# Altium PCB Discharge_circuit.PcbDoc (part 2 of 2)
Units mil, origin at the board's own origin, x right, y up, seen from the top; angles counter-clockwise.
Board outline 3355 x 5880 mil, 2 copper layers (Top, Bottom), stack 61.811 mil thick; 102 components, 64 nets, 268 pads, 2630 vias.
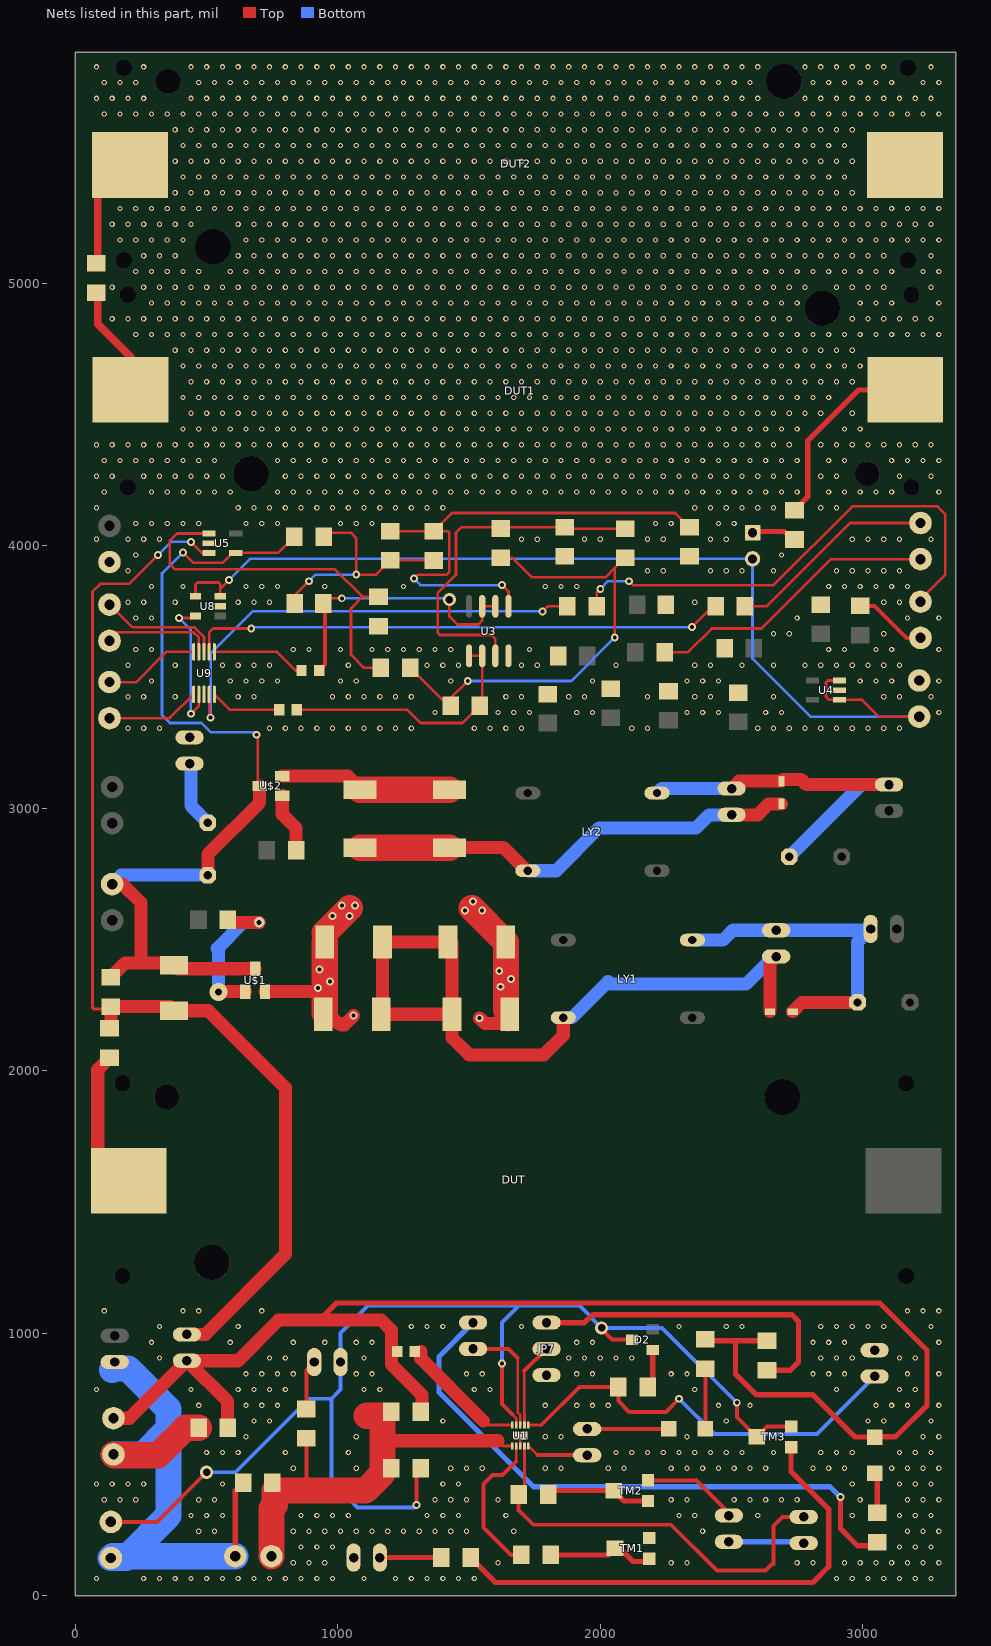
[diagram p2: the nets of this part, all layers, seen from the top]

## Via types
v1: diameter 20, hole 12, Top to Bottom, 2581 vias
v2: diameter 30, hole 15, Top to Bottom, 42 vias
v3: diameter 50, hole 28, Top to Bottom, 3 vias
v4: diameter 40, hole 20, Top to Bottom, 2 vias
v5: diameter 70, hole 28, Top to Bottom, 1 vias
v6: diameter 80, hole 30, Top to Bottom, 1 vias

## Nets (pads, with @x,y where several pads share a name; then routed paths per layer and width w, separated by ;. In a path a pad name is that pad's centre, name@x,y a point inside that pad or via, vN(x,y) a via of type N, cw(c..) or ccw(c..) an arc to the next point about the centre after c; other vN are vias at no path point) (continued)
GND: C3.2 C4.2 C7.2 C8.2 C9.2 C10.2 C13.2 C14.2 C15.2 C16.2 DUT2.P$1 JP8.1 RL.1 T7.2 T8.2 U3.4 U4.2 U5.2 U8.2 U9.3
  other v1: 200,3305 260,3305 320,3305 740,3305 800,3305 860,3305 920,3305 980,3305 1040,3305 1100,3305 1160,3305 1220,3305 1280,3305 1520,3305 1580,3305 1640,3305 1700,3305 2120,3305 2180,3305 2600,3305 2660,3305 2720,3305 2780,3305 2840,3305 2900,3305 2960,3305 3020,3305 3080,3305 3140,3305 1370,3365 1610,3365 1670,3365 1730,3365 1910,3365 1970,3365 2330,3365 2390,3365 2450,3365 2630,3365 2690,3365 3290,3365 200,3425 260,3425 380,3425 620,3425 680,3425 980,3425 1040,3425 1100,3425 1160,3425 1220,3425 1280,3425 1640,3425 1700,3425 1880,3425 1940,3425 2180,3425 2360,3425 2420,3425 2660,3425 3080,3425 3140,3425 3260,3425 290,3485 590,3485 650,3485 710,3485 770,3485 1010,3485 1070,3485 1430,3485 1970,3485 2330,3485 2390,3485 2450,3485 2990,3485 3050,3485 3110,3485 3290,3485 200,3545 380,3545 560,3545 620,3545 680,3545 740,3545 1040,3545 1340,3545 1400,3545 1460,3545 1700,3545 1760,3545 2060,3545 2360,3545 2420,3545 2540,3545 2660,3545 2780,3545 2840,3545 2900,3545 2960,3545 3020,3545 3080,3545 3140,3545 230,3605 290,3605 830,3605 890,3605 1010,3605 1130,3605 1190,3605 1250,3605 1310,3605 1370,3605 1430,3605 1730,3605 2870,3605 2930,3605 3050,3605 3110,3605 3290,3605 2660,3665 2720,3665 3080,3665 230,3725 290,3725 2750,3725 3170,3725 3290,3725 200,3785 260,3785 380,3785 620,3785 680,3785 740,3785 2360,3785 3080,3785 3140,3785 290,3845 410,3845 650,3845 710,3845 770,3845 950,3845 1250,3845 1790,3845 1850,3845 1910,3845 2870,3845 2930,3845 2990,3845 3050,3845 3110,3845 3170,3845 200,3905 2180,3905 2240,3905 2420,3905 2480,3905 2540,3905 2660,3905 2900,3905 2960,3905 3020,3905 3080,3905 3140,3905 230,3965 2690,3965 80,4025 200,4025 260,4025 320,4025 1700,4025 1760,4025 1940,4025 2000,4025 2180,4025 2240,4025 2420,4025 2480,4025 2960,4025 3020,4025 3080,4025 3140,4025 3260,4025 230,4085 290,4085 350,4085 410,4085 470,4085 650,4085 710,4085 770,4085 1010,4085 1070,4085 1130,4085 2210,4085 2270,4085 2450,4085 2510,4085 80,4145 620,4145 680,4145 740,4145 800,4145 860,4145 920,4145 980,4145 1040,4145 1100,4145 1160,4145 1220,4145 1280,4145 1340,4145 1400,4145 2360,4145 2420,4145 2480,4145 2540,4145 2600,4145 2660,4145 2840,4145 2900,4145 110,4205 290,4205 350,4205 410,4205 470,4205 530,4205 590,4205 770,4205 830,4205 890,4205 950,4205 1010,4205 1070,4205 1130,4205 1190,4205 1250,4205 1310,4205 1370,4205 1430,4205 1490,4205 1550,4205 1610,4205 1670,4205 1730,4205 1790,4205 1850,4205 1910,4205 1970,4205 2030,4205 2090,4205 2150,4205 2210,4205 2270,4205 2330,4205 2390,4205 2450,4205 2510,4205 2570,4205 2630,4205 2690,4205 2750,4205 2870,4205 2930,4205 2990,4205 3050,4205 3110,4205 3290,4205 80,4265 140,4265 260,4265 320,4265 380,4265 440,4265 500,4265 560,4265 800,4265 860,4265 920,4265 980,4265 1040,4265 1100,4265 1160,4265 1220,4265 1280,4265 1340,4265 1400,4265 1460,4265 1520,4265 1580,4265 1640,4265 1700,4265 1760,4265 1820,4265 1880,4265 1940,4265 2000,4265 2060,4265 2120,4265 2180,4265 2240,4265 2300,4265 2360,4265 2420,4265 2480,4265 2540,4265 2600,4265 2660,4265 2720,4265 2840,4265 2900,4265 3140,4265 3260,4265 110,4325 170,4325 230,4325 290,4325 350,4325 410,4325 470,4325 530,4325 770,4325 830,4325 890,4325 950,4325 1010,4325 1070,4325 1130,4325 1190,4325 1250,4325 1310,4325 1370,4325 1430,4325 1490,4325 1550,4325 1610,4325 1670,4325 1730,4325 1790,4325 1850,4325 1910,4325 1970,4325 2030,4325 2090,4325 2150,4325 2210,4325 2270,4325 2330,4325 2390,4325 2450,4325 2510,4325 2570,4325 2630,4325 2690,4325 2750,4325 2870,4325 2930,4325 3110,4325 3170,4325 3230,4325 3290,4325 80,4385 140,4385 200,4385 260,4385 320,4385 380,4385 440,4385 500,4385 560,4385 620,4385 680,4385 740,4385 800,4385 860,4385 920,4385 980,4385 1040,4385 1100,4385 1160,4385 1220,4385 1280,4385 1340,4385 1400,4385 1460,4385 1520,4385 1580,4385 1640,4385 1700,4385 1760,4385 1820,4385 1880,4385 1940,4385 2000,4385 2060,4385 2120,4385 2180,4385 2240,4385 2300,4385 2360,4385 2420,4385 2480,4385 2540,4385 2600,4385 2660,4385 2720,4385 2840,4385 2900,4385 2960,4385 3020,4385 3080,4385 3140,4385 3200,4385 3260,4385 410,4445 470,4445 530,4445 590,4445 650,4445 710,4445 770,4445 830,4445 890,4445 950,4445 1010,4445 1070,4445 1130,4445 1190,4445 1250,4445 1310,4445 1370,4445 1430,4445 1490,4445 1550,4445 1610,4445 1670,4445 1730,4445 1790,4445 1850,4445 1910,4445 1970,4445 2030,4445 2090,4445 2150,4445 2210,4445 2270,4445 2330,4445 2390,4445 2450,4445 2510,4445 2570,4445 2630,4445 2690,4445 2750,4445 2930,4445 2990,4445 440,4505 500,4505 560,4505 620,4505 680,4505 740,4505 800,4505 860,4505 920,4505 980,4505 1040,4505 1100,4505 1160,4505 1220,4505 1280,4505 1340,4505 1400,4505 1460,4505 1520,4505 1580,4505 1640,4505 1700,4505 1760,4505 1820,4505 1880,4505 1940,4505 2000,4505 2060,4505 2120,4505 2180,4505 2240,4505 2300,4505 2360,4505 2420,4505 2480,4505 2540,4505 2600,4505 2660,4505 2720,4505 2780,4505 2840,4505 2960,4505 410,4565 470,4565 530,4565 590,4565 650,4565 710,4565 770,4565 830,4565 890,4565 950,4565 1010,4565 1070,4565 1130,4565 1190,4565 1250,4565 1310,4565 1370,4565 1430,4565 1490,4565 1550,4565 1610,4565 1670,4565 1730,4565 1790,4565 1850,4565 1910,4565 1970,4565 2030,4565 2090,4565 2150,4565 2210,4565 2270,4565 2330,4565 2390,4565 2450,4565 2510,4565 2570,4565 2630,4565 2690,4565 2750,4565 2810,4565 2870,4565 440,4625 500,4625 560,4625 620,4625 680,4625 740,4625 800,4625 860,4625 920,4625 980,4625 1040,4625 1100,4625 1160,4625 1220,4625 1280,4625 1340,4625 1400,4625 1460,4625 1520,4625 1580,4625 1640,4625 1700,4625 1760,4625 1820,4625 1880,4625 1940,4625 2000,4625 2060,4625 2120,4625 2180,4625 2240,4625 2300,4625 2360,4625 2420,4625 2480,4625 2540,4625 2600,4625 2660,4625 2720,4625 2780,4625 2840,4625 2900,4625 2960,4625 410,4685 470,4685 530,4685 590,4685 650,4685 710,4685 770,4685 830,4685 890,4685 950,4685 1010,4685 1070,4685 1130,4685 1190,4685 1250,4685 1310,4685 1370,4685 1430,4685 1490,4685 1550,4685 1610,4685 1670,4685 1730,4685 1790,4685 1850,4685 1910,4685 1970,4685 2030,4685 2090,4685 2150,4685 2210,4685 2270,4685 2330,4685 2390,4685 2450,4685 2510,4685 2570,4685 2630,4685 2690,4685 2750,4685 2810,4685 2870,4685 2930,4685 2990,4685 380,4745 440,4745 500,4745 560,4745 620,4745 680,4745 740,4745 800,4745 860,4745 920,4745 980,4745 1040,4745 1100,4745 1160,4745 1220,4745 1280,4745 1340,4745 1400,4745 1460,4745 1520,4745 1580,4745 1640,4745 1700,4745 1760,4745 1820,4745 1880,4745 1940,4745 2000,4745 2060,4745 2120,4745 2180,4745 2240,4745 2300,4745 2360,4745 2420,4745 2480,4745 2540,4745 2600,4745 2660,4745 2720,4745 2780,4745 2840,4745 2900,4745 2960,4745 230,4805 290,4805 350,4805 410,4805 470,4805 530,4805 590,4805 650,4805 710,4805 770,4805 830,4805 890,4805 950,4805 1010,4805 1070,4805 1130,4805 1190,4805 1250,4805 1310,4805 1370,4805 1430,4805 1490,4805 1550,4805 1610,4805 1670,4805 1730,4805 1790,4805 1850,4805 1910,4805 1970,4805 2030,4805 2090,4805 2150,4805 2210,4805 2270,4805 2330,4805 2390,4805 2450,4805 2510,4805 2570,4805 2630,4805 2690,4805 2750,4805 2810,4805 2870,4805 2930,4805 2990,4805 3050,4805 3110,4805 3170,4805 3230,4805 3290,4805 140,4865 200,4865 260,4865 320,4865 380,4865 440,4865 500,4865 560,4865 620,4865 680,4865 740,4865 800,4865 860,4865 920,4865 980,4865 1040,4865 1100,4865 1160,4865 1220,4865 1280,4865 1340,4865 1400,4865 1460,4865 1520,4865 1580,4865 1640,4865 1700,4865 1760,4865 1820,4865 1880,4865 1940,4865 2000,4865 2060,4865 2120,4865 2180,4865 2240,4865 2300,4865 2360,4865 2420,4865 2480,4865 2540,4865 2600,4865 2660,4865 2720,4865 2960,4865 3020,4865 3080,4865 3140,4865 3200,4865 3260,4865 290,4925 350,4925 410,4925 470,4925 530,4925 590,4925 650,4925 710,4925 770,4925 830,4925 890,4925 950,4925 1010,4925 1070,4925 1130,4925 1190,4925 1250,4925 1310,4925 1370,4925 1430,4925 1490,4925 1550,4925 1610,4925 1670,4925 1730,4925 1790,4925 1850,4925 1910,4925 1970,4925 2030,4925 2090,4925 2150,4925 2210,4925 2270,4925 2330,4925 2390,4925 2450,4925 2510,4925 2570,4925 2630,4925 2690,4925 2750,4925 2990,4925 3050,4925 3110,4925 3290,4925 140,4985 260,4985 320,4985 380,4985 440,4985 500,4985 560,4985 620,4985 680,4985 740,4985 800,4985 860,4985 920,4985 980,4985 1040,4985 1100,4985 1160,4985 1220,4985 1280,4985 1340,4985 1400,4985 1460,4985 1520,4985 1580,4985 1640,4985 1700,4985 1760,4985 1820,4985 1880,4985 1940,4985 2000,4985 2060,4985 2120,4985 2180,4985 2240,4985 2300,4985 2360,4985 2420,4985 2480,4985 2540,4985 2600,4985 2660,4985 2720,4985 2780,4985 2900,4985 2960,4985 3020,4985 3080,4985 3260,4985 230,5045 290,5045 350,5045 410,5045 470,5045 590,5045 650,5045 710,5045 770,5045 830,5045 890,5045 950,5045 1010,5045 1070,5045 1130,5045 1190,5045 1250,5045 1310,5045 1370,5045 1430,5045 1490,5045 1550,5045 1610,5045 1670,5045 1730,5045 1790,5045 1850,5045 1910,5045 1970,5045 2030,5045 2090,5045 2150,5045 2210,5045 2270,5045 2330,5045 2390,5045 2450,5045 2510,5045 2570,5045 2630,5045 2690,5045 2750,5045 2810,5045 2870,5045 2930,5045 2990,5045 3050,5045 3110,5045 3230,5045 3290,5045 260,5105 320,5105 380,5105 620,5105 680,5105 740,5105 800,5105 860,5105 920,5105 980,5105 1040,5105 1100,5105 1160,5105 1220,5105 1280,5105 1340,5105 1400,5105 1460,5105 1520,5105 1580,5105 1640,5105 1700,5105 1760,5105 1820,5105 1880,5105 1940,5105 2000,5105 2060,5105 2120,5105 2180,5105 2240,5105 2300,5105 2360,5105 2420,5105 2480,5105 2540,5105 2600,5105 2660,5105 2720,5105 2780,5105 2840,5105 2900,5105 2960,5105 3020,5105 3080,5105 3260,5105 170,5165 230,5165 290,5165 350,5165 410,5165 650,5165 710,5165 770,5165 830,5165 890,5165 950,5165 1010,5165 1070,5165 1130,5165 1190,5165 1250,5165 1310,5165 1370,5165 1430,5165 1490,5165 1550,5165 1610,5165 1670,5165 1730,5165 1790,5165 1850,5165 1910,5165 1970,5165 2030,5165 2090,5165 2150,5165 2210,5165 2270,5165 2330,5165 2390,5165 2450,5165 2510,5165 2570,5165 2630,5165 2690,5165 2750,5165 2810,5165 2870,5165 2930,5165 2990,5165 3050,5165 3110,5165 3170,5165 3230,5165 3290,5165 140,5225 200,5225 260,5225 320,5225 380,5225 440,5225 620,5225 680,5225 740,5225 800,5225 860,5225 920,5225 980,5225 1040,5225 1100,5225 1160,5225 1220,5225 1280,5225 1340,5225 1400,5225 1460,5225 1520,5225 1580,5225 1640,5225 1700,5225 1760,5225 1820,5225 1880,5225 1940,5225 2000,5225 2060,5225 2120,5225 2180,5225 2240,5225 2300,5225 2360,5225 2420,5225 2480,5225 2540,5225 2600,5225 2660,5225 2720,5225 2780,5225 2840,5225 2900,5225 2960,5225 3020,5225 3080,5225 3140,5225 3200,5225 3260,5225 170,5285 230,5285 290,5285 350,5285 410,5285 470,5285 530,5285 590,5285 650,5285 710,5285 770,5285 830,5285 890,5285 950,5285 1010,5285 1070,5285 1130,5285 1190,5285 1250,5285 1310,5285 1370,5285 1430,5285 1490,5285 1550,5285 1610,5285 1670,5285 1730,5285 1790,5285 1850,5285 1910,5285 1970,5285 2030,5285 2090,5285 2150,5285 2210,5285 2270,5285 2330,5285 2390,5285 2450,5285 2510,5285 2570,5285 2630,5285 2690,5285 2750,5285 2810,5285 2870,5285 2930,5285 2990,5285 3050,5285 3110,5285 3170,5285 3230,5285 3290,5285 380,5345 440,5345 500,5345 560,5345 620,5345 680,5345 740,5345 800,5345 860,5345 920,5345 980,5345 1040,5345 1100,5345 1160,5345 1220,5345 1280,5345 1340,5345 1400,5345 1460,5345 1520,5345 1580,5345 1640,5345 1700,5345 1760,5345 1820,5345 1880,5345 1940,5345 2000,5345 2060,5345 2120,5345 2180,5345 2240,5345 2300,5345 2360,5345 2420,5345 2480,5345 2540,5345 2600,5345 2660,5345 2720,5345 2780,5345 2840,5345 2900,5345 2960,5345 410,5405 470,5405 530,5405 590,5405 650,5405 710,5405 770,5405 830,5405 890,5405 950,5405 1010,5405 1070,5405 1130,5405 1190,5405 1250,5405 1310,5405 1370,5405 1430,5405 1490,5405 1550,5405 1610,5405 1670,5405 1730,5405 1790,5405 1850,5405 1910,5405 1970,5405 2030,5405 2090,5405 2150,5405 2210,5405 2270,5405 2330,5405 2390,5405 2450,5405 2510,5405 2570,5405 2630,5405 2690,5405 2750,5405 2810,5405 2870,5405 2930,5405 380,5465 440,5465 500,5465 560,5465 620,5465 680,5465 740,5465 800,5465 860,5465 920,5465 980,5465 1040,5465 1100,5465 1160,5465 1220,5465 1280,5465 1340,5465 1400,5465 1460,5465 1520,5465 1580,5465 1640,5465 1700,5465 1760,5465 1820,5465 1880,5465 1940,5465 2000,5465 2060,5465 2120,5465 2180,5465 2240,5465 2300,5465 2360,5465 2420,5465 2480,5465 2540,5465 2600,5465 2660,5465 2720,5465 2780,5465 2840,5465 2900,5465 2960,5465 410,5525 470,5525 530,5525 590,5525 650,5525 710,5525 770,5525 830,5525 890,5525 950,5525 1010,5525 1070,5525 1130,5525 1190,5525 1250,5525 1310,5525 1370,5525 1430,5525 1490,5525 1550,5525 1610,5525 1670,5525 1730,5525 1790,5525 1850,5525 1910,5525 1970,5525 2030,5525 2090,5525 2150,5525 2210,5525 2270,5525 2330,5525 2390,5525 2450,5525 2510,5525 2570,5525 2630,5525 2690,5525 2750,5525 2810,5525 2870,5525 2930,5525 380,5585 440,5585 500,5585 560,5585 620,5585 680,5585 740,5585 800,5585 860,5585 920,5585 980,5585 1040,5585 1100,5585 1160,5585 1220,5585 1280,5585 1340,5585 1400,5585 1460,5585 1520,5585 1580,5585 1640,5585 1700,5585 1760,5585 1820,5585 1880,5585 1940,5585 2000,5585 2060,5585 2120,5585 2180,5585 2240,5585 2300,5585 2360,5585 2420,5585 2480,5585 2540,5585 2600,5585 2660,5585 2720,5585 2780,5585 2840,5585 2900,5585 2960,5585 110,5645 170,5645 230,5645 290,5645 350,5645 410,5645 470,5645 530,5645 590,5645 650,5645 710,5645 770,5645 830,5645 890,5645 950,5645 1010,5645 1070,5645 1130,5645 1190,5645 1250,5645 1310,5645 1370,5645 1430,5645 1490,5645 1550,5645 1610,5645 1670,5645 1730,5645 1790,5645 1850,5645 1910,5645 1970,5645 2030,5645 2090,5645 2150,5645 2210,5645 2270,5645 2330,5645 2390,5645 2450,5645 2510,5645 2570,5645 2630,5645 2690,5645 2750,5645 2810,5645 2870,5645 2930,5645 2990,5645 3050,5645 3110,5645 3170,5645 3230,5645 3290,5645 80,5705 140,5705 200,5705 260,5705 440,5705 500,5705 560,5705 620,5705 680,5705 740,5705 800,5705 860,5705 920,5705 980,5705 1040,5705 1100,5705 1160,5705 1220,5705 1280,5705 1340,5705 1400,5705 1460,5705 1520,5705 1580,5705 1640,5705 1700,5705 1760,5705 1820,5705 1880,5705 1940,5705 2000,5705 2060,5705 2120,5705 2180,5705 2240,5705 2300,5705 2360,5705 2420,5705 2480,5705 2540,5705 2600,5705 2780,5705 2840,5705 2900,5705 2960,5705 3020,5705 3080,5705 3140,5705 3200,5705 3260,5705 110,5765 170,5765 230,5765 470,5765 530,5765 590,5765 650,5765 710,5765 770,5765 830,5765 890,5765 950,5765 1010,5765 1070,5765 1130,5765 1190,5765 1250,5765 1310,5765 1370,5765 1430,5765 1490,5765 1550,5765 1610,5765 1670,5765 1730,5765 1790,5765 1850,5765 1910,5765 1970,5765 2030,5765 2090,5765 2150,5765 2210,5765 2270,5765 2330,5765 2390,5765 2450,5765 2510,5765 2570,5765 2810,5765 2870,5765 2930,5765 2990,5765 3050,5765 3110,5765 3230,5765 3290,5765 80,5825 260,5825 440,5825 500,5825 560,5825 620,5825 680,5825 740,5825 800,5825 860,5825 920,5825 980,5825 1040,5825 1100,5825 1160,5825 1220,5825 1280,5825 1340,5825 1400,5825 1460,5825 1520,5825 1580,5825 1640,5825 1700,5825 1760,5825 1820,5825 1880,5825 1940,5825 2000,5825 2060,5825 2120,5825 2180,5825 2240,5825 2300,5825 2360,5825 2420,5825 2480,5825 2540,5825 2600,5825 2780,5825 2840,5825 2900,5825 2960,5825 3020,5825 3080,5825 3260,5825
GND(DC-): C1.2 C2.2 D2.A JCHG1.1 JCHG2.1 JCHG3.2 JCHG8.1 JP7.1 R13.2 T1.1 T2.2 T3.2 TM1.3 TS.1 U1.3 U1.11 | length 2838.2
  Top w10: U1.3@1695,570 U1.11@1695,610
  Top w20: T1.1@609.13,150 609.13,399.25 C1.2@639.88,430 ; R13.2@2180.98,795 2199.37,813.39 D2.A@2199.37,935.63
  Top w100: T2.2@145,538.07 148.07,535 315,535 420,640 C2.2@469.88,640
  Bottom w20: JCHG3.2@2490,205 2770,205 JCHG1.1@2775,200
  Bottom w100: 140,860 145,865 200,865 355,710 355,635 ; T2.2@145,538.07 258.07,538.07 355,635 ; T1.1@609.13,150 200,150 ; 200,150 355,305 355,635 ; 200,150 193.07,143.07 T3.2@135,143.07 141.93,150 200,150
  other v1: 80,65 260,65 320,65 380,65 440,65 500,65 560,65 620,65 680,65 740,65 800,65 860,65 920,65 980,65 1100,65 1220,65 1280,65 1340,65 1400,65 1460,65 1520,65 2900,65 2960,65 3020,65 3080,65 3140,65 3200,65 3260,65 830,125 890,125 950,125 1610,125 2270,125 2330,125 2750,125 2810,125 2930,125 2990,125 3050,125 3110,125 3170,125 3230,125 3290,125 860,185 920,185 980,185 3140,185 3200,185 3260,185 470,245 530,245 830,245 890,245 950,245 1010,245 1070,245 1130,245 1190,245 1250,245 1310,245 1370,245 1430,245 1490,245 1670,245 2390,245 3170,245 3230,245 3290,245 440,305 500,305 560,305 860,305 920,305 980,305 1040,305 1340,305 1400,305 1460,305 1640,305 2300,305 2360,305 2600,305 2960,305 3140,305 3200,305 3260,305 110,365 170,365 230,365 470,365 530,365 1370,365 1430,365 1490,365 1610,365 2270,365 2330,365 2510,365 2570,365 2630,365 2690,365 2750,365 2990,365 3170,365 3230,365 3290,365 80,425 140,425 200,425 260,425 560,425 1400,425 1460,425 2960,425 3140,425 3200,425 3260,425 830,485 1070,485 1430,485 1490,485 1550,485 1790,485 1850,485 2030,485 2090,485 2270,485 2330,485 2390,485 2450,485 2510,485 2570,485 2630,485 2810,485 2870,485 2930,485 3110,485 3170,485 3230,485 3290,485 500,545 560,545 620,545 800,545 1040,545 2060,545 2120,545 2180,545 2240,545 2300,545 2360,545 2420,545 2480,545 2540,545 2660,545 2840,545 2900,545 2960,545 3140,545 3200,545 3260,545 650,605 1070,605 1790,605 1850,605 2330,605 3230,605 3290,605 680,665 740,665 1400,665 2480,665 3020,665 3080,665 3260,665 470,725 650,725 710,725 770,725 1790,725 1910,725 1970,725 2030,725 2450,725 2570,725 3050,725 3110,725 3170,725 3290,725 80,785 440,785 620,785 680,785 740,785 800,785 1100,785 1160,785 1520,785 1580,785 2360,785 2900,785 3140,785 3200,785 650,845 710,845 770,845 830,845 1070,845 1130,845 1490,845 1550,845 1910,845 1970,845 2270,845 2330,845 2810,845 2870,845 2930,845 3170,845 3290,845 320,905 740,905 800,905 1100,905 1880,905 1940,905 2000,905 2060,905 2120,905 2840,905 2900,905 2960,905 3140,905 3200,905 290,965 590,965 830,965 950,965 1070,965 1130,965 1910,965 1970,965 2810,965 2870,965 2930,965 3290,965 320,1025 620,1025 1280,1025 1340,1025 1400,1025 1700,1025 2300,1025 2480,1025 2540,1025 2840,1025 2900,1025 2960,1025 3020,1025 3080,1025 3260,1025 110,1085 410,1085 470,1085 710,1085 3170,1085 3230,1085 3290,1085
I_MEASURE: R16.2 RL.2 U5.1 | length 1470.5
  Top w10: U5.1@509,4047 387,4047 360,4020 360,3930 380,3910 990,3910 1094.02,3805.98 ; RL.2@1155,3805.98 1094.02,3805.98 ; R16.2@1164.02,3535 1100,3535 1050,3585 1050,3761.96 1094.02,3805.98
IN(DC+): C1.1 R9.2 R11.2 R12.2 T1.2 U1.1 | length 1675.7
  Top w10: 1610,590 1630,570 U1.1@1664,570
  Top w15: 880,400 R12.2@880,599.02
  Top w50: 1170,585 1175,590 1610,590
  Top w100: T1.2@746.93,150 746.93,331.93 760,345 760,400 880,400 1105,400 1170,465 1170,585 1170,685 1110,685
NetC5_1: C5.1 C11.1 R16.1 R17.2 | length 1765.8
  Top w10: R16.1@1275.98,3535 1420.98,3390 C11.1@1429.88,3390 1429.88,3419.88 v2(1495,3485) ; R17.2@1620,3954.02 1665.98,3954.02 1740,3880 2020.12,3880 2055,3914.88 ; v2(2055,3650) 2055,3914.88 ; C5.1@2095,3954.88 2055,3914.88
  Bottom w10: v2(1495,3485) 1890,3485 v2(2055,3650)
NetC5_2: C5.2 C8.1 R17.1 U3.3 | length 1362.6
  Top w10: U3.3@1600,3580.51 1600,3645 1585,3660 1390,3660 1380,3670 1380,3820 1450,3890 1450,4050 1470,4070 1615.98,4070 R17.1@1620,4065.98 1624.14,4070.12 C8.1@1865,4070.12 1870,4065.12 C5.2@2095,4065.12
NetC6_1: C6.1 C12.1 R18.1 R19.2 | length 889.6
  Top w10: C12.1@834.88,3780 834.88,3809.88 v2(890,3865) ; R18.1@945,4050 1050,4050 1070,4030 v2(1070,3890) 1145.12,3890 C6.1@1200,3944.88 1364.14,3944.88 R19.2@1365,3944.02
  Bottom w10: v2(890,3865) 915,3890 v2(1070,3890)
NetC6_2: C6.2 C7.1 R19.1 U3.5 | length 1985.9
  Top w10: C6.2@1200,4055.12 R19.1@1365,4055.12 ; v2(1290,3875) 1305,3890 1415,3890 1425,3900 1425,4050 1419.88,4055.12 R19.1@1365,4055.12 ; v2(1625,3850) 1650,3825 U3.5@1650,3769.49 ; C7.1@2340,4070.12 2285.12,4125 1434.02,4125 R19.1@1365,4055.98 R19.1@1365,4055.12
  Bottom w10: v2(1290,3875) 1315,3850 v2(1625,3850)
NetC11_2: C11.2 R20.2 U3.1 U3.2 | length 988.9
  Top w10: R20.2@843.46,3375 1265,3375 1315,3325 1475.12,3325 C11.2@1540.12,3390 1550,3399.88 U3.2@1550,3580.51 U3.1@1500,3580.51
NetC12_2: C12.2 R21.2 U3.6 U3.7 | length 1077.2
  Top w10: C12.2@945.12,3780 965.12,3800 v2(1015,3800) ; v3@1420,3800 v3(1425,3795) 1425,3730 1455,3700 1535,3700 1550,3715 U3.7@1550,3769.49 U3.6@1600,3769.49
  Top w15: R21.2@928.46,3525 950.98,3547.52 950.98,3774.14 C12.2@945.12,3780
  Bottom w10: v2(1015,3800) 1420,3800 v3(1425,3795)
NetCX_2: CX.2 JP8.2 | length 251.9
  Bottom w50: JP8.2@440,3170 440,3010 CX.2@505,2945
NetCY1_1: CY1.1 D4.2 JP5.1 JP6.2 LY2.2 | length 1407.7
  Top w50: JP5.1@2500,3075 2528.31,3103.31 D4.2@2690,3103.31 2696.69,3110 2765,3110 2785,3090 JP6.2@3100,3090
  Bottom w50: LY2.2@2216,3058 2233,3075 JP5.1@2500,3075 ; CY1.1@2720,2815 2995,3090 JP6.2@3100,3090
NetCY_1: CY.1 D5.2 JP1.1 JP3.2 LY1.2 | length 1244.2
  Top w50: D5.2@2733.31,2225 2768.31,2260 CY.1@2980,2260
  Bottom w50: LY1.2@2351,2498 2468,2498 2505,2535 JP1.1@2670,2535 3025,2535 2980,2490 CY.1@2980,2260
NetD2_C: D2.C JCHG9.2 R11.1 T3.1 TM3.2 TM3.3 U1.9 | length 4800
  Top w10: 1665,690 1679,676 U1.9@1679,650
  Top w15: T3.1@135,280.87 310.87,280.87 v3(500,470) v3@505,470 ; v2(1300,345) 1300,469.02 R11.1@1315.98,485 ; v2(1625,885) 1625,730 1665,690 ; v3(2005,1020) 2000,1020 2045,975 D2.C@2120.63,975 ; v2(2520,735) 2520,680.94 TM3.2@2595.94,605 2635.31,644.37 TM3.3@2726.85,644.37
  Bottom w15: v3(500,470) 610,470 890,750 975,750 ; v2(1300,345) 1290,335 1075,335 975,435 975,750 ; v2(1625,885) 1625,1040 1690,1105 ; v2(2520,735) 2235,1020 v3(2005,1020) 1920,1105 1690,1105 ; 975,750 1010,785 JCHG9.2@1010,890 1010,1000 1115,1105 1690,1105
NetD4_-: D4.- JP5.2 LY2.4 R26.1 R27.1 | length 1737
  Top w50: R27.1@1425,2849.76 1631.76,2849.76 LY2.4@1715.76,2765.76 ; JP5.2@2500,2975 2600,2975 2641.69,3016.69 D4.-@2690,3016.69
  Top w100: R26.1@1085,2849.76 R27.1@1425,2849.76
  Bottom w50: LY2.4@1724,2762 1832,2762 1995,2925 2365,2925 2415,2975 JP5.2@2500,2975
NetD5_-: D5.- JP1.2 LY1.4 R2.1 R3.1 R24.1 R25.1 | length 2855.4
  Top w50: R24.1@1419.76,2490 R3.1@1170.24,2490 1170.24,2220 R2.1@1165.24,2215 R25.1@1434.76,2215 ; R24.1@1424.88,2495.12 1434.76,2485.24 R25.1@1434.76,2215 ; LY1.4@1859,2202 1859,2134 1785,2060 1500,2060 1434.76,2125.24 R25.1@1434.76,2215 ; D5.-@2646.69,2225 2646.69,2411.69 JP1.2@2670,2435
  Bottom w50: LY1.4@1859,2202 1892,2202 2030,2340 2040,2330 2555,2330 2660,2435 JP1.2@2670,2435
NetDUT1_+: DUT1.+ U$3.1 | length 737.1
  Top w20: U$3.1@2740,4135.98 2790,4185.98 2790,4400 2984,4594 DUT1.+@3162,4594
NetDUT1_P$1: DUT1.P$1 FUSE_2.2 | length 421.6
  Top w30: FUSE_2.2@85,4964.02 85,4845 209.5,4720.5 DUT1.P$1@209.5,4594
NetDUT2_+: DUT2.+ FUSE_2.1 | length 426
  Top w20: DUT2.+@85,5328 DUT2.+@208,5451
  Top w30: FUSE_2.1@85,5075.98 DUT2.+@85,5328
NetDUT_+: DUT.+ U$4.1 | length 541.2
  Top w10: U$4.1@130,2049.02 U$4.1@134.02,2045
  Top w50: U$4.1@130,2049.02 85,2004.02 85,1699 DUT.+@203,1581
NetJCHG1_2: JCHG1.2 R6.2 U1.4 | length 1604.6
  Top w10: R6.2@1689.02,385 1711,406.98 U1.4@1711,570
  Top w15: R6.2@1689.02,385 1689.02,325.98 1745,270 2270,270 2445,95 2630,95 2655,120 2660,120 2660,265 2695,300 JCHG1.2@2775,300
NetJCHG2_2: JCHG2.2 R13.1 U1.6 | length 1617.8
  Top w10: U1.6@1726,650 1775,650
  Top w15: 1775,650 1920,795 R13.1@2069.02,795 2069.02,740.98 2110,700 2250,700 v2(2300,750)
  Bottom w15: v2(2300,750) 2435,615 2825,615 JCHG2.2@3045,835
NetJCHG3_1: JCHG3.1 TM2.3 | length 370.2
  Top w15: TM2.3@2181.85,439.37 2364.37,439.37 2365,440 2490,315 JCHG3.1@2490,305
NetJCHG4_1: JCHG4.1 U1.5 | length 238.5
  Top w10: U1.5@1726,570 1761,535
  Top w15: 1761,535 JCHG4.1@1950,535
NetJCHG4_2: JCHG4.2 LED1.C | length 311.1
  Top w15: JCHG4.2@1950,635 LED1.C@2261.1,635
NetJCHG6_1: JCHG6.1 U1.8 | length 443.6
  Top w10: 1685,905 1685,697.37 1695,687.37 U1.8@1695,650
  Top w15: JCHG6.1@1515,940 1650,940 1685,905
NetJCHG6_2: JCHG6.2 R14.1 | length 2307.3
  Top w20: v2(2915,375) 2915,255 2980,190 3040.98,190 R14.1@3055,204.02
  Bottom w20: JCHG6.2@1515,1040 1385,910 1385,775 1745,415 2875,415 v2(2915,375)
NetJCHG9_1: JCHG9.1 R12.1 | length 191.4
  Top w15: R12.1@880,710.98 880,860 JCHG9.1@910,890
NetJP7_2: JP7.2 U1.7 | length 325.6
  Top w10: 1710,855 1710,695 1711,694 U1.7@1711,650
  Top w15: 1710,855 JP7.2@1795,940
NetJP7_3: JP7.3 R7.1 | length 1270.6
  Top w20: JP7.3@1795,1040 1940,1040 1970,1070 2730,1070 2755,1045 2755,890 2724.02,859.02 R7.1@2635,859.02
NetJP9_1: JP9.1 U$3.2 | length 178.2
  Top w10: JP9.1@2580,4050 JP9.1@2584.41,4054.41
  Top w20: JP9.1@2584.41,4054.41 2700.59,4054.41 U$3.2@2740,4015
NetJP9_2: JP9.2 T8.1 U4.1 U4.3 U8.3 U8.4 | length 3867.5
  Top w10: U8.4@457.76,3807.4 457.76,3852.76 465,3860 545,3860 552.24,3852.76 552.24,3837.24 ; U8.3@552.24,3807.4 552.24,3837.24 ; v2(585,3870) 552.24,3837.24 ; U4.3@2911,3487 2867,3487 2860,3480 2860,3425 2872,3413 U4.1@2911,3413 2997,3413 3060.87,3349.13 T8.1@3215,3349.13
  Bottom w10: v2(585,3870) 665,3950 JP9.2@2580,3950 2580,3570 2800.87,3349.13 T8.1@3215,3349.13
NetLED1_A: LED1.A R8.1 | length 229.5
  Top w15: LED1.A@2398.9,635 2400,636.1 R8.1@2400,864.02
NetLED2_C: LED2.C R14.2 | length 154.3
  Top w20: LED2.C@3045,466.1 3055,456.1 R14.2@3055,315.98
NetR2_2: R2.2 R3.2 R24.2 R25.2 U$1.2 | length 1456.2
  Top w50: U$1.2@722.4,2301.69 946.45,2301.69 949.76,2305 ; R2.2@949.76,2220 R2.2@944.76,2215 965,2215 1000,2180 1020,2180 1015,2175 1025,2175 v2(1060,2210) ; R3.2@949.76,2490 R3.2@949.76,2524.76 ; v2(1540,2200) 1560,2180 1640,2180 1645,2175 1655.24,2185.24 R25.2@1655.24,2215 R25.2@1640.24,2230
  Top w100: R2.2@949.76,2220 949.76,2305 R3.2@949.76,2490 ; R3.2@949.76,2524.76 1045,2620 ; 1510.24,2620 R24.2@1640.24,2490 R25.2@1640.24,2230
  other v2: 925,2315 1620,2320 970,2340 1660,2350 1615,2380 930,2385 980,2590 1045,2590 1485,2610 1550,2610 1015,2630 1065,2630 1515,2645
NetR4_1: R4.1 T9.2 | length 800.3
  Top w10: R4.1@2550.98,3770 2635,3770 2951.93,4086.93 T9.2@3220,4086.93
NetR4_2: R4.2 U9.7 | length 2051.9
  Top w10: U9.7@509.69,3595.71 509.69,3669.69 525,3685 v2(670,3685) v2@675,3690 ; v2(2350,3690) 2430,3770 R4.2@2439.02,3770
  Bottom w10: v2(670,3685) 675,3690 v2(2350,3690)
NetR5_1: R5.1 TM1.1 TM1.2 | length 411.3
  Top w20: R5.1@1810.98,155 2030.94,155 TM1.2@2055.94,180 2075,180 2125,130 2176.22,130 TM1.1@2186.85,140.63
NetR5_2: R5.2 U1.2 | length 571.1
  Top w10: 1679,511 U1.2@1679,570
  Top w15: 1679,511 1628,460 1590,460 1555,425 1555,260 1660,155 R5.2@1699.02,155
NetR6_1: R6.1 TM2.1 TM2.2 | length 403.9
  Top w20: R6.1@1800.98,385 1815.98,400 TM2.2@2050.94,400 2090.94,360 2181.22,360 TM2.1@2181.85,360.63
NetR10_2: R10.2 U1.10 | length 479.2
  Top w10: 1555,665 1570,650 U1.10@1664,650
  Top w50: 1315.98,930 1315.98,904.02 1555,665
NetR15_1: R15.1 TS.2 | length 234
  Top w20: TS.2@1160,145 R15.1@1394.02,145
NetR15_2: R15.2 TM3.1 | length 1943.1
  Top w20: R15.2@1505.98,145 1600.98,50 2810,50 2870,110 2870,330 2726.85,473.15 TM3.1@2726.85,565.63
NetR20_1: R20.1 U9.5 | length 275.2
  Top w10: U9.5@529.37,3434.29 588.66,3375 R20.1@780,3375
NetR21_1: R21.1 U9.6 | length 361.5
  Top w10: U9.6@529.37,3595.71 768.31,3595.71 839.02,3525 R21.1@861.54,3525
NetR22_1: R22.1 U$1.1 | length 595
  Top w50: v5(545,2300) 546.69,2301.69 U$1.1@647.6,2301.69 ; R22.1@580.98,2575 590.98,2565 v4(700,2565)
  Bottom w50: v5(545,2300) 545,2460 540,2465 640,2565 v4(700,2565)
NetR23_1: R23.1 U$2.1 | length 229.4
  Top w50: U$2.1@788.31,3047.6 788.31,2976.69 840.98,2924.02 R23.1@840.98,2840
NetR26_2: R26.2 R27.2 U$2.2 | length 661.1
  Top w50: U$2.2@788.31,3122.4 1037.6,3122.4 1085,3075 R26.2@1085,3070.24
  Top w100: R26.2@1085,3070.24 R27.2@1425,3070.24
NetR28_1: R28.1 T9.1 | length 1120.7
  Top w10: R28.1@2245.98,3595 2335,3595 2425,3685 2615,3685 2879.13,3949.13 T9.1@3220,3949.13
NetR29_1: R29.1 T10.2 | length 1913.6
  Top w10: R29.1@1985.98,3770 1985.98,3820.98 v2(2000,3835) ; v2(2110,3865) 2125,3850 2660,3850 2960,4150 3285,4150 3315,4120 3315,3890 3220,3795 T10.2@3220,3786.93
  Bottom w10: v2(2000,3835) 2030,3865 v2(2110,3865)
NetR29_2: R29.2 U9.4 | length 1778.3
  Top w10: U9.4@509.69,3434.29 509.69,3345.31 510,3345 v2(515,3345) ; v2(1780,3750) 1800,3770 R29.2@1874.02,3770
  Bottom w10: v2@509.69,3345.31 v2(515,3345) 515,3590 675,3750 v2(1780,3750)
NetR30_1: R30.1 T10.1 | length 280.5
  Top w15: R30.1@2990,3770.98 3044.02,3770.98 3165.87,3649.13 T10.1@3220,3649.13
NetT5_1: T5.1 U9.10 | length 368.9
  Top w10: T5.1@130,3480.87 130.87,3480 230,3480 345.71,3595.71 U9.10@450.63,3595.71
NetT5_2: T5.2 U9.1 | length 358.4
  Top w10: T5.2@130,3343.07 359.41,3343.07 U9.1@450.63,3434.29
NetT6_1: T6.1 U9.8 | length 468
  Top w10: T6.1@130,3775.87 215.87,3690 452.63,3690 490,3652.63 U9.8@490,3595.71
NetT6_2: T6.2 U9.9 | length 415.9
  Top w10: T6.2@130,3638.07 161.93,3670 450,3670 470.31,3649.69 U9.9@470.31,3595.71
OUT(BAT+): C2.1 JCHG7.1 LED2.A R7.2 R8.2 R9.1 R10.1 T2.1 | length 5790.9
  Top w20: 930,1050 995,1115 3065,1115 3245,935 3245,725 3125,605 LED2.A@3045,605 ; R8.2@2400,975.98 2405,970.98 2515,970.98 ; R7.2@2635,970.98 2515,970.98 ; LED2.A@3045,603.9 2971.1,603.9 2810,765 2595,765 2515,845 2515,970.98
  Top w50: T2.1@145,675.87 205.87,675.87 JCHG7.1@425,895 ; C2.1@580.12,640 580.12,739.88 JCHG7.1@425,895 ; R9.1@1315.98,700 1320,704.02 1320,765 1204.02,880.98 1204.02,930 1204.02,1010.98 1165,1050 930,1050 775,1050 620,895 JCHG7.1@425,895 ; R8.2@2390,980 2394.02,975.98 R8.2@2400,975.98
SHUNT_V+: JCHG7.2 RSHUNT1.1 RSHUNT.1 U5.3 U$4.2 | length 4222.2
  Top w10: U$4.2@130,2160.98 134.02,2165 U$4.2@135,2165 ; RSHUNT.1@135,2235 70,2235 65,2240 65,3825 95,3855 205,3855 v2(315,3965) ; v2(440,4015) 482,3973 U5.3@509,3973
  Top w50: U$4.2@135,2155 135,2165 135,2235 RSHUNT.1@135,2244.02 359.37,2244.02 RSHUNT1.1@375,2228.39 506.61,2228.39 800,1935 800,1300 495,995 JCHG7.2@425,995
  Bottom w10: v2(315,3965) 365,4015 v2(440,4015)
V_MEASURE: CX.1 J5.1 R18.2 RSHUNT1.2 RSHUNT.2 U5.4 U$1.3 U$2.3 | length 3477.2
  Top w10: v2(410,3975) 450,3935 560,3935 598,3973 U5.4@611,3973 772.02,3973 R18.2@834.02,4035 ; v2(690,3280) 695,3275 U$2.3@695,3091.69
  Top w20: U$2.3@695,3091.69 U$2.3@701.69,3085
  Top w50: RSHUNT.2@135,2355.98 190,2410.98 250,2410.98 ; J5.1@140,2710.87 179.13,2710.87 250,2640 250,2410.98 ; CX.1@505,2745 505,2825 701.69,3021.69 U$2.3@701.69,3085 ; U$1.3@685,2388.31 388.3,2388.31 RSHUNT1.2@375,2401.61 365.63,2410.98 250,2410.98
  Bottom w10: v2(410,3975) 330,3895 330,3355 360,3325 480,3325 515,3290 680,3290 v2(690,3280)
  Bottom w50: J5.1@140,2710.87 174.13,2745 CX.1@505,2745
VREF_5V: U8.5 U9.2 | length 536.4
  Top w10: v2(395,3725) 450.16,3725 U8.5@457.76,3732.6 ; v2(440,3360) 470.31,3390.31 U9.2@470.31,3434.29
  Bottom w10: v2(395,3725) 440,3680 v2(440,3360)
pads on no net: D2.NC DUT1.1 DUT2.1 DUT.1 LY1.1 LY1.3 LY2.1 LY2.3 U4.4 U8.1

## Polygon pours and split planes (outlines as drawn)
GND(DC-) on Bottom "GND(DC-)_PLY_BTM" (solid, pour order 40): 3350,5 3350,1135 5,1135 5,5 3350,5
BAT- on Bottom "BAT-_PLY_BTM" (solid, pour order 64): 3340,1285 3340,3160 15,3160 15,1285 3340,1285
GND on Bottom "GND_PLY_BTM" (solid, pour order 70): 3340,3245 3340,5865 15,5865 15,3245 3340,3245
GND(DC-) on Top "GND(DC-)_PLY_TOP" (solid, pour order 52): 3340,15 3340,1135 15,1135 15,15 3340,15
BAT- on Top "BAT-_PLY_TOP" (solid, pour order 66): 3340,1285 3340,3160 15,3160 15,1285 3340,1285
GND on Top "GND_PLY_TOP" (solid, pour order 68): 3340,3245 3340,5865 15,5865 15,3245 3340,3245

## Keep-outs
Keep-Out Layer:
  rectangle: 1660,2725 1925,2730

## Other copper
Top:
  rectangle net NetD5_-: 1145,2160 1445,2550
Bottom:
  rectangle net NetR2_2: 905,2140 1700,2655

## Silkscreen, mask and mechanical layers (free items; w line width, h text height)
Top Overlay:
  lines w10: 5,1155 3345,1155 3345,2695 3345,3225 5,3225 5,1155
  text "+" at 135,5645 h200 r90
  text "-" at 3320,5640 h200 r90
  text "-" at 155,4360 h200 r90
  text "+" at 3340,4315 h200 r90
  text "+" at 130,1350 h200 r90
  text "-" at 3175,1345 h200 r90
  text "-" at 3330,1225 h200 r90
Bottom Overlay:
  drawing of 2440 lines, arcs and shapes, not listed
  text "Akshay Gill / March 20 2016 / Single Cell BMS Rev 1.0" at 1505,5520 h100 r90
Dimension:
  the board outline again, w10
Unrouted:
  lines w0: 196.61,1845 496.61,1895 ; 236.61,1405.87 486.61,1540.98 ; 311.61,2185.98 1504.92,2292.6 ; 346.61,1345 996.61,1345 1196.61,1395 ; 366.61,2335 166.61,268.07 516.61,2385 ; 386.02,1390 714.61,1711 ; 411.61,1645.98 1268.3,2290 ; 486.61,1429.02 512.2,1285 ; 491.61,2480 1248.3,1380 ; 531.61,4380 881.61,4080 ; 561.61,2185.98 1504.92,2692.6 ; 721.61,2728.07 971.61,3039.02 ; 721.61,2865.87 721.61,3039.02 ; 796.61,1345 1196.61,1295 ; 880,3895.63 1080,4007.59 ; 1280,3895.63 1480,4007.59 ; 1793.61,1551 1891.61,1805 ; 1800,4211.49 3000,4211.49 ; 1800,4321.73 2400,4211.49 ; 1991.61,1805 2089.61,1059 ; 2000,4211.49 3200,4211.49 ; 2000,4321.73 2200,4211.49 ; 2210,4151.73 2410,4151.73 2610,4151.73 2810,4151.73 ; 2343.61,1551 2441.61,1805 ; 2600,4211.49 2800,4211.49 ; 2604.92,2942.4 3011.61,3165.24 3311.61,3165.24 ; 2639.61,1059 2541.61,1805 3341.61,1044.76 ; 2848.3,1005 2848.3,1405

## Text inside footprints (layer, text, board x,y; h text height)
JP7: Top Overlay "1" at 1900,840 h60.45 r90; Top Overlay "2" at 1900,940 h60.45 r90; Top Overlay "3" at 1900,1040 h60.45 r90
U4: Top Overlay "*" at 2944,3396 h77.5 r180; tDocu "*" at 2944,3396 h77.5 r180
U5: Top Overlay "*" at 476,4064 h77.5; tDocu "*" at 476,4064 h77.5